# Allegro board PCIe3_0_X16_V1_0-166-20240802_20240828_pcb.brd (continued)
## Routing (per net, layer and track width the routed paths; a pad name or vN(x,y) marks a point on that pad's centre or on a via; arc(x,y) is an arc through that point) (continued)
FPGA_DDR4_2_BG0: length 133.6
  TOP w0.229: U1.AH22 v1(116.32,66.23) ; U10.M2 v1(145.29,73.5) ; U11.M2 v1(145.29,35.78) ; U12.M2 v1(145.29,48.36) ; U13.M2 v1(145.29,60.93) ; U9.M2 v1(145.29,86.07)
  ART05 w0.137: 144.1,34.79 144.1,35.15 144.33,35.38 144.63,35.38 144.8,35.45 v1(145.29,35.78) ; v1(145.29,86.07) 145.69,86.47 147.31,86.47 147.5,86.28 150.35,86.28 v1(150.73,85.9)
  ART05 w0.155: v1(116.32,66.23) 115.51,66.23 114.13,65.65 113.89,65.42 113.34,64.09 112.97,63.53 112.77,63.05 112.53,62.81 112.1,62.63 111.88,62.41 111.72,62.05 111.69,62 111.55,61.86 111.16,61.7 110.98,61.51 110.86,61.22 110.86,46.2 110.96,45.95 112.08,44.83 112.64,44.6 122.67,34.57 143.88,34.57 144.1,34.79
  ART12 w0.086: v1(145.29,35.78) 145.29,35.97 144.89,36.37 144.89,38.05 147.27,40.42 147.27,42.61 147.58,42.93 147.58,44.4 144.92,47.06 144.92,47.81 145.29,48.19 v1(145.29,48.36) 145.29,48.54 144.89,48.95 144.89,50.6 147.18,52.88 147.18,52.91 147.27,53 147.27,55.18 147.58,55.5 147.58,56.97 144.92,59.64 144.92,60.39 145.29,60.76 v1(145.29,60.93) 145.29,61.12 144.89,61.52 144.89,63.17 147.18,65.46 147.18,65.48 147.27,65.57 147.27,67.75 147.58,68.07 147.58,69.55 144.92,72.21 144.92,72.96 145.29,73.33 v1(145.29,73.5) 145.29,73.69 144.89,74.09 144.89,75.74 147.18,78.03 147.18,78.06 147.27,78.15 147.27,80.33 147.58,80.64 147.58,82.12 144.92,84.78 144.92,85.53 145.29,85.91 v1(145.29,86.07)
  BOTTOM w0.201: R143.1 v1(150.73,85.9)
FPGA_DDR4_2_CAS_N: length 129.1
  TOP w0.229: U10.M8 v1(145.29,79.1) ; U12.M8 v1(145.29,53.96) ; U9.M8 v1(145.29,91.67) ; U1.AP21 v1(123.32,65.23) ; U11.M8 v1(145.29,41.38) ; U13.M8 v1(145.29,66.53)
  ART03 w0.137: v1(145.29,41.38) 145.06,41.38 144.66,41.78 144.31,41.78 144.09,42 144.09,42.47
  ART03 w0.155: v1(123.32,65.23) 123.08,65.23 122.79,64.95 122.79,61.01 122.54,60.76 122.16,60.76 121.78,60.38 121.78,43.82 121.98,43.61 132.7,43.61 133.69,44.6 134.49,44.6 134.64,44.45 134.64,43.94 134.8,43.79 135.11,43.79 135.26,43.94 135.26,44.45 135.42,44.6 135.73,44.6 135.88,44.45 135.88,43.94 136.04,43.79 136.35,43.79 136.5,43.94 136.5,44.45 136.66,44.6 136.97,44.6 137.12,44.45 137.12,43.94 137.28,43.79 137.59,43.79 137.74,43.94 137.74,44.45 137.9,44.6 138.21,44.6 138.36,44.45 138.36,43.94 138.52,43.79 138.83,43.79 138.98,43.94 138.98,44.45 139.14,44.6 139.45,44.6 139.6,44.45 139.6,43.94 139.76,43.79 140.07,43.79 140.22,43.94 140.22,44.45 140.38,44.6 140.69,44.6 140.84,44.45 140.84,43.94 141,43.79 141.31,43.79 141.46,43.94 141.46,44.45 141.62,44.6 142.77,44.6 142.93,44.45 142.93,42.83 143.08,42.67 143.89,42.67 144.09,42.47
  ART10 w0.086: v1(145.29,91.67) 145.29,91.47 145.72,91.04 145.72,89.77 146.49,89 146.49,83.72 146.17,83.4 146.03,83.4 145.87,83.56 145.75,83.56 145.62,83.43 145.62,83.31 145.78,83.15 145.78,83.03 145.66,82.91 145.54,82.91 145.37,83.08 145.25,83.08 145.14,82.97 145.14,82.82 145.29,82.67 145.29,82.54 144.89,82.15 144.89,79.68 145.29,79.28 v1(145.29,79.1) 145.29,78.9 145.72,78.47 145.72,77.2 146.49,76.43 146.49,71.15 146.17,70.83 146.03,70.83 145.87,70.98 145.75,70.98 145.62,70.86 145.62,70.74 145.78,70.58 145.78,70.46 145.66,70.34 145.54,70.34 145.37,70.51 145.25,70.51 145.14,70.4 145.14,70.25 145.29,70.09 145.29,69.97 144.89,69.57 144.89,67.11 145.29,66.7 v1(145.29,66.53) 145.29,66.32 145.72,65.9 145.72,64.63 146.49,63.85 146.49,58.57 146.17,58.25 146.03,58.25 145.87,58.41 145.75,58.41 145.62,58.29 145.62,58.17 145.78,58.01 145.78,57.89 145.66,57.76 145.54,57.76 145.37,57.93 145.25,57.93 145.14,57.82 145.14,57.68 145.29,57.52 145.29,57.4 144.89,57 144.89,54.53 145.29,54.13 v1(145.29,53.96) 145.29,53.75 145.72,53.32 145.72,52.05 146.49,51.28 146.49,46 146.17,45.68 146.03,45.68 145.87,45.84 145.75,45.84 145.62,45.72 145.62,45.59 145.78,45.44 145.78,45.31 145.66,45.19 145.54,45.19 145.37,45.36 145.25,45.36 145.14,45.25 145.14,45.1 145.29,44.95 145.29,44.83 144.89,44.43 144.89,41.96 145.29,41.56 v1(145.29,41.38)
  BOTTOM w0.127: 145.78,90.55 145.69,90.64 145.69,91.27 v1(145.29,91.67)
  BOTTOM w0.201: 145.78,90.55 146.37,89.97 149.08,89.97 150.48,91.36 150.48,91.64 R137.1
FPGA_DDR4_2_CK_C: length 130.8
  TOP w0.173: U13.K8 v1(143.69,66.53) ; U12.K8 v1(143.69,53.96) ; U1.AH20 v1(117.32,63.23) ; U11.K8 v1(143.69,41.38) ; U9.K8 v1(143.69,91.67) ; U10.K8 v1(143.69,79.1)
  ART05 w0.102: 118.33,44.68 118.31,44.69 118.22,44.69 117.92,44.99 117.92,62.56 117.65,62.83 117.08,62.83 116.92,62.98 116.92,63.13 117.02,63.23 v1(117.32,63.23)
  ART05 w0.14: v1(143.69,41.38) 143.7,41.37 143.29,40.77 143.29,40.36 142.93,40 136.92,40 136.78,40.14 136.78,40.61 136.45,40.94 134.59,40.94 134.45,41.08 134.45,42.98 134.12,43.31 133.29,43.31 132.96,42.98 132.96,40.98 132.8,40.82 132.26,40.82 132.12,40.96 132.12,42.98 131.79,43.31 130.96,43.31 130.63,42.98 130.63,41.01 130.43,40.82 129.93,40.82 129.79,40.96 129.79,42.95 129.46,43.28 128.65,43.28 128.3,42.92 128.3,40.93 128.16,40.79 127.51,40.79 127.37,40.93 127.37,42.67 127.02,43.03 126.21,43.03 125.88,42.7 125.88,42.02 125.74,41.88 125.18,41.88 125.04,42.02 125.04,42.62 124.71,42.95 120.05,42.95 119.31,43.69 119.31,43.85 119.31,44.05 119.09,44.26 118.94,44.26 118.74,44.26 118.33,44.68
  ART12 w0.104: v1(143.69,41.38) 143.69,41.51 143.29,41.91 143.29,42.39 143.43,42.53 143.43,43.46 143.21,43.67 143.21,44.1 143.41,44.3 143.41,44.41 143.08,44.74 142.97,44.74 142.77,44.54 142.34,44.54 141.76,45.12 141.76,50.62 143.29,52.15 143.29,53.25 143.41,53.53 v1(143.69,53.96) 143.69,54.08 143.29,54.48 143.29,54.97 143.43,55.1 143.43,56.03 143.21,56.25 143.21,56.67 143.41,56.87 143.41,56.99 143.08,57.32 142.97,57.32 142.77,57.11 142.34,57.11 141.76,57.7 141.76,62.91 143.29,64.44 143.29,65.82 143.41,66.1 v1(143.69,66.53) 143.69,66.65 143.29,67.05 143.29,67.54 143.43,67.68 143.43,68.6 143.21,68.82 143.21,69.25 143.41,69.45 143.41,69.56 143.08,69.89 142.97,69.89 142.77,69.69 142.34,69.69 141.76,70.27 141.76,75.74 143.29,77.27 143.29,78.4 143.41,78.67 v1(143.69,79.1) 143.69,79.23 143.29,79.63 143.29,80.11 143.43,80.25 143.43,81.18 143.21,81.39 143.21,81.82 143.41,82.02 143.41,82.13 143.08,82.46 142.97,82.46 142.77,82.26 142.34,82.26 141.76,82.84 141.76,88.62 143.29,90.15 143.29,90.97 143.41,91.25 v1(143.69,91.67)
  BOTTOM w0.102: 143.29,90.68 143.29,90.91 143.52,91.45 143.62,91.6 v1(143.69,91.67)
  BOTTOM w0.173: R152.2 143.33,89.86 143.33,90.65 143.29,90.68
FPGA_DDR4_2_CK_T: length 130.7
  TOP w0.173: U1.AG20 v1(116.32,63.23) ; U9.K7 v1(143.69,90.87) ; U10.K7 v1(143.69,78.3) ; U13.K7 v1(143.69,65.73) ; U12.K7 v1(143.69,53.16) ; U11.K7 v1(143.69,40.58)
  ART05 w0.102: v1(116.32,63.23) 116.62,63.23 116.72,63.13 116.72,62.9 116.99,62.62 117.57,62.62 117.72,62.47 117.72,44.91 118.08,44.55 118.08,44.46 118.09,44.44
  ART05 w0.14: v1(143.69,40.58) 143.69,40.3 143.07,39.67 136.79,39.67 136.46,40.01 136.46,40.48 136.32,40.62 134.46,40.62 134.12,40.95 134.12,42.84 133.99,42.98 133.43,42.98 133.29,42.84 133.29,40.85 132.93,40.49 132.12,40.49 131.79,40.82 131.79,42.84 131.65,42.98 131.09,42.98 130.96,42.84 130.96,40.88 130.57,40.49 129.79,40.49 129.46,40.82 129.46,42.81 129.32,42.95 128.79,42.95 128.62,42.79 128.62,40.8 128.29,40.46 127.38,40.46 127.05,40.8 127.05,42.53 126.88,42.7 126.35,42.7 126.21,42.56 126.21,41.89 125.88,41.56 125.05,41.56 124.72,41.89 124.72,42.48 124.58,42.62 119.92,42.62 118.99,43.54 118.09,44.44
  ART12 w0.104: v1(143.69,90.87) 143.63,90.81 143.63,90.01 142.1,88.48 142.1,82.98 142.48,82.6 142.63,82.6 142.83,82.8 143.22,82.8 143.75,82.27 143.75,81.88 143.55,81.68 143.55,81.53 143.77,81.31 143.77,80.44 144.09,80.12 144.09,78.7 v1(143.69,78.3) 143.63,78.24 143.63,77.13 142.1,75.6 142.1,70.41 142.48,70.02 142.63,70.02 142.83,70.22 143.22,70.22 143.75,69.7 143.75,69.31 143.55,69.11 143.55,68.96 143.77,68.74 143.77,67.87 144.09,67.54 144.09,66.13 v1(143.69,65.73) 143.63,65.66 143.63,64.3 142.1,62.77 142.1,57.84 142.48,57.45 142.63,57.45 142.83,57.65 143.22,57.65 143.75,57.12 143.75,56.74 143.55,56.53 143.55,56.39 143.77,56.17 143.77,55.3 144.09,54.97 144.09,53.56 v1(143.69,53.16) 143.63,53.09 143.63,52.01 142.1,50.48 142.1,45.26 142.48,44.88 142.63,44.88 142.83,45.08 143.22,45.08 143.75,44.55 143.75,44.16 143.55,43.96 143.55,43.81 143.77,43.6 143.77,42.72 144.09,42.4 144.09,40.98 v1(143.69,40.58)
  BOTTOM w0.102: 144.1,90.58 144.1,91.01 144,91.11 143.8,91.11 143.69,91.01 v1(143.69,90.87)
  BOTTOM w0.173: R151.2 143.72,89.86 143.72,90.2 144.1,90.58
FPGA_DDR4_2_CKE: length 135.7
  TOP w0.152: U12.K2 v1(143.69,48.36)
  TOP w0.229: U13.K2 v1(143.69,60.93) ; U9.K2 v1(143.69,86.07) ; U11.K2 v1(143.69,35.78) ; U1.AJ21 v1(118.32,65.23) ; U10.K2 v1(143.69,73.5)
  ART03 w0.137: 142.51,35.29 142.74,35.38 143.01,35.38 143.24,35.48 v1(143.69,35.78)
  ART03 w0.155: v1(118.32,65.23) 117.56,64.72 115.18,63.73 114.87,63.42 114.67,62.95 114.5,62.78 114.17,62.68 113.97,62.54 113.78,62.08 113.53,61.83 113.14,61.67 112.92,61.45 112.76,61.06 112.54,60.84 112.15,60.68 111.94,60.47 111.87,60.3 111.87,41.33 118.63,34.57 141.79,34.57 142.51,35.29
  ART05 w0.137: v1(143.69,86.07) 144.1,85.67 144.1,84.92 144.38,84.63 149.72,84.63 v1(150.73,83.62)
  ART10 w0.086: v1(143.69,86.07) 143.69,85.85 143.34,85.49 143.29,85.39 143.29,84.89 143.29,84.88 143.29,84.76 143.43,84.61 143.43,84.49 143.31,84.37 143.19,84.37 143.04,84.51 142.92,84.51 142.8,84.39 142.8,84.27 142.96,84.11 142.96,83.99 142.83,83.87 142.71,83.87 142.55,84.03 142.43,84.03 142.23,83.82 142.23,79.17 142.72,78.67 143.05,78.67 143.29,78.43 143.29,74.17 143.69,73.77 v1(143.69,73.5) 143.69,73.27 143.34,72.92 143.29,72.82 143.29,72.32 143.29,72.31 143.29,72.19 143.43,72.04 143.43,71.92 143.31,71.8 143.19,71.8 143.04,71.94 142.92,71.94 142.8,71.82 142.8,71.7 142.96,71.54 142.96,71.42 142.83,71.3 142.71,71.3 142.55,71.45 142.43,71.45 142.23,71.25 142.23,66.6 142.72,66.1 143.05,66.1 143.29,65.86 143.29,61.59 143.69,61.19 v1(143.69,60.93) 143.69,60.7 143.34,60.34 143.29,60.24 143.29,59.74 143.29,59.73 143.29,59.61 143.43,59.47 143.43,59.35 143.31,59.22 143.19,59.22 143.04,59.37 142.92,59.37 142.8,59.25 142.8,59.12 142.96,58.97 142.96,58.84 142.83,58.72 142.71,58.72 142.55,58.88 142.43,58.88 142.23,58.67 142.23,54.03 142.72,53.53 143.05,53.53 143.29,53.28 143.29,49.02 143.69,48.62 v1(143.69,48.36) 143.69,48.13 143.34,47.77 143.29,47.67 143.29,47.17 143.29,47.16 143.29,47.04 143.43,46.9 143.43,46.77 143.31,46.65 143.19,46.65 143.04,46.8 142.92,46.8 142.8,46.67 142.8,46.55 142.96,46.39 142.96,46.27 142.83,46.15 142.71,46.15 142.55,46.31 142.43,46.31 142.23,46.1 142.23,41.45 142.72,40.96 143.05,40.96 143.29,40.71 143.29,36.45 143.69,36.05 v1(143.69,35.78)
  BOTTOM w0.201: R144.1 v1(150.73,83.62)
FPGA_DDR4_2_CS_B: length 135.1
  TOP w0.229: U11.L7 v1(144.49,40.58) ; U12.L7 v1(144.49,53.16) ; U1.AM18 v1(121.32,61.23) ; U9.L7 v1(144.49,90.87) ; U13.L7 v1(144.49,65.73) ; U10.L7 v1(144.49,78.3)
  ART03 w0.137: 135.32,40.98 141.81,40.98 142.73,40.06 144,40.06 144.49,40.55 v1(144.49,40.58)
  ART03 w0.155: 135.32,40.98 135,40.98 134.53,41.45 134.17,41.45 134.02,41.3 134.02,40.72 133.86,40.56 133.55,40.56 133.4,40.72 133.4,41.3 133.24,41.45 132.93,41.45 132.78,41.3 132.78,40.72 132.62,40.56 132.31,40.56 132.16,40.72 132.16,41.3 132,41.45 131.69,41.45 131.54,41.3 131.54,40.72 131.38,40.56 131.07,40.56 130.92,40.72 130.92,41.3 130.76,41.45 130.45,41.45 130.3,41.3 130.3,40.72 130.14,40.56 129.83,40.56 129.68,40.72 129.68,41.3 129.52,41.45 129.21,41.45 129.06,41.3 129.06,40.72 128.9,40.56 128.59,40.56 128.44,40.72 128.44,41.3 128.28,41.45 127.97,41.45 127.82,41.3 127.82,40.72 127.66,40.56 127.35,40.56 127.2,40.72 127.2,41.3 127.04,41.45 126.73,41.45 126.58,41.3 126.58,40.72 126.42,40.56 126.11,40.56 125.96,40.72 125.96,41.3 125.8,41.45 125.49,41.45 125.34,41.3 125.34,40.72 125.18,40.56 124.87,40.56 124.72,40.72 124.72,41.3 124.56,41.45 124.25,41.45 124.1,41.3 124.1,40.72 123.94,40.56 123.64,40.56 123.48,40.72 123.48,41.3 123.33,41.45 123.02,41.45 122.86,41.3 122.86,40.72 122.71,40.56 122.4,40.56 122.24,40.72 122.24,41.3 122.09,41.45 121.88,41.45 121.78,41.55 121.56,41.55 121.03,41.02 120.81,41.02 120.59,41.24 120.59,41.46 121.12,41.99 121.12,42.21 120.91,42.43 120.69,42.43 120.3,42.04 120.08,42.04 119.86,42.26 119.86,42.48 120.25,42.87 120.25,43.08 119.87,43.46 119.87,60.5 120.13,60.76 120.64,60.76 121.11,61.23 v1(121.32,61.23)
  ART10 w0.086: v1(144.49,40.58) 144.09,40.98 143.57,40.98 143.29,41.25 143.29,41.51 143.02,41.78 142.77,41.78 142.52,42.03 142.52,43.31 142.61,43.4 142.65,43.4 142.73,43.49 142.73,43.66 142.65,43.75 142.61,43.75 142.52,43.83 142.52,44 142.61,44.09 142.65,44.09 142.73,44.18 142.73,44.35 142.65,44.44 142.61,44.44 142.52,44.52 142.52,45.15 144.09,46.73 U12.L7 v1(144.49,53.16) 144.09,53.56 143.57,53.56 143.29,53.83 143.29,54.08 143.02,54.36 142.77,54.36 142.52,54.6 142.52,55.89 142.61,55.97 142.65,55.97 142.73,56.06 142.73,56.23 142.65,56.32 142.61,56.32 142.52,56.41 142.52,56.58 142.61,56.66 142.65,56.66 142.73,56.75 142.73,56.92 142.65,57.01 142.61,57.01 142.52,57.1 142.52,57.72 144.09,59.3 U13.L7 v1(144.49,65.73) 144.09,66.13 143.57,66.13 143.29,66.4 143.29,66.66 143.02,66.93 142.77,66.93 142.52,67.17 142.52,68.46 142.61,68.55 142.65,68.55 142.73,68.63 142.73,68.81 142.65,68.89 142.61,68.89 142.52,68.98 142.52,69.15 142.61,69.24 142.65,69.24 142.73,69.32 142.73,69.5 142.65,69.58 142.61,69.58 142.52,69.67 142.52,70.3 144.09,71.87 U10.L7 v1(144.49,78.3) 144.09,78.7 143.57,78.7 143.29,78.97 143.29,79.23 143.02,79.5 142.77,79.5 142.52,79.75 142.52,81.03 142.61,81.12 142.65,81.12 142.73,81.21 142.73,81.38 142.65,81.46 142.61,81.46 142.52,81.55 142.52,81.72 142.61,81.81 142.65,81.81 142.73,81.9 142.73,82.07 142.65,82.16 142.61,82.16 142.52,82.24 142.52,82.87 144.09,84.44 U9.L7 v1(144.49,90.87)
  BOTTOM w0.201: v1(144.49,90.87) 144.49,90.29 144.65,89.91 144.65,89.8 145.87,88.59 150.73,88.59 R145.1
FPGA_DDR4_2_DQ0: length 52.4
  TOP w0.201: U9.G2 v1(140.49,86.07) ; U1.AJ16 v1(118.32,59.23)
  ART10 w0.137: v1(140.49,86.07) 140.09,85.67 134.5,85.67 132.47,83.64 132.47,81.43 132.61,81.3 132.74,81.3 132.88,81.16 132.88,80.88 132.74,80.75 132.61,80.75 132.47,80.61 132.47,80.34 132.61,80.2 132.74,80.2 132.88,80.06 132.88,79.79 132.74,79.65 132.61,79.65 132.47,79.51 132.47,79.24 132.61,79.1 132.74,79.1 132.88,78.96 132.88,78.69 132.74,78.55 132.61,78.55 132.47,78.42 132.47,78.14 132.61,78 132.74,78 132.88,77.87 132.88,77.59 132.74,77.46 132.61,77.46 132.47,77.32 132.47,77.04 132.61,76.91 132.74,76.91 132.88,76.77 132.88,76.49 132.74,76.36 132.61,76.36 132.47,76.22 132.47,75.95 132.61,75.81 132.74,75.81 132.88,75.67 132.88,75.4 132.74,75.26 132.61,75.26 132.47,75.12 132.47,74.85 132.61,74.71 132.74,74.71 132.88,74.57 132.88,74.3 132.74,74.16 132.61,74.16 132.47,74.03 132.47,73.75 132.61,73.61 132.74,73.61 132.88,73.48 132.88,73.2 132.74,73.07 132.61,73.07 132.47,72.93 132.47,70.99 133.51,69.95 133.51,67.08 133.38,66.94 132.76,66.94 132.62,66.81 132.62,66.53 132.76,66.39 133.38,66.39 133.51,66.26 133.51,65.89 129.4,61.77 121.14,61.77 120.89,61.52 120.89,61.01 120.61,60.73 120.1,60.73 119.87,60.5 119.87,59.99 119.62,59.74 118.99,59.74 118.48,59.23 v1(118.32,59.23)
FPGA_DDR4_2_DQ1: length 51.7
  TOP w0.201: U1.AG17 v1(116.32,60.23) ; U9.F7 v1(139.69,90.87)
  ART10 w0.137: v1(116.32,60.23) 116.32,60.4 115.81,60.91 115.81,63.42 117.08,64.69 117.59,64.69 117.84,64.95 117.84,65.46 118.1,65.71 118.48,65.71 118.86,66.09 118.86,66.47 119.11,66.73 125.21,66.73 126.27,67.79 128,67.79 128.15,67.94 128.15,71.16 128.29,71.3 128.5,71.3 128.64,71.43 128.64,71.71 128.5,71.85 128.29,71.85 128.15,71.98 128.15,72.26 128.29,72.39 128.5,72.39 128.64,72.53 128.64,72.81 128.5,72.94 128.29,72.94 128.15,73.08 128.15,73.38 128.74,73.96 128.74,85.02 135,91.27 139.29,91.27 v1(139.69,90.87)
FPGA_DDR4_2_DQ2: length 53.4
  TOP w0.201: U9.H3 v1(141.29,86.87) ; U1.AJ14 v1(117.32,57.23)
  ART10 w0.137: v1(141.29,86.87) 141.29,86.64 140.9,86.24 140.9,86.22 140.89,86.22 140.89,85.08 140.56,84.75 135.4,84.75 135.19,84.96 134.48,84.96 133.41,83.9 133.41,83.36 133.55,83.22 134.11,83.22 134.25,83.08 134.25,82.81 134.11,82.67 133.55,82.67 133.41,82.54 133.41,82.26 133.55,82.12 134.11,82.12 134.25,81.99 134.25,81.71 134.11,81.57 133.55,81.57 133.41,81.44 133.41,71.22 134.02,70.61 134.02,65.74 129.04,60.76 122.16,60.76 121.78,60.38 121.78,59.99 121.52,59.74 121.14,59.74 120.89,59.49 120.89,59.11 120.51,58.72 119.11,58.72 118.8,58.41 118.8,58.03 118.48,57.71 117.8,57.71 v1(117.32,57.23)
FPGA_DDR4_2_DQ3: length 53.6
  TOP w0.201: U1.AG15 v1(116.32,58.23) ; U9.H7 v1(141.29,90.87)
  ART10 w0.137: v1(141.29,90.87) 140.9,91.27 140.28,91.27 140.09,91.46 140.09,91.84 139.86,92.07 135.14,92.07 128.23,85.17 128.23,76.12 127.75,74.96 127.75,73 127.44,72.69 127.19,72.69 126.88,72.39 126.88,72.19 126.38,71.68 126.17,71.68 125.87,71.37 125.87,71.04 125.51,70.69 124.78,70.69 124.16,70.07 123.44,69.77 123.25,69.77 121.86,69.2 121.23,68.56 119.23,67.74 118.82,67.32 118.82,67.14 118.49,66.81 118.18,66.81 117.84,66.47 117.84,66.16 117.49,65.81 117.18,65.81 116.83,65.46 116.83,65.07 116.32,64.57 115.62,64.28 114.79,63.45 114.79,61.01 115.05,60.76 115.43,60.76 115.81,60.38 115.81,58.74 v1(116.32,58.23)
FPGA_DDR4_2_DQ4: length 53.6
  TOP w0.201: U1.AJ13 v1(118.32,57.23) ; U9.H2 v1(141.29,86.07)
  ART10 w0.137: v1(118.32,57.23) 118.63,57.23 119.11,57.71 120.51,57.71 120.89,58.09 120.89,58.47 121.14,58.72 121.52,58.72 121.78,58.98 121.78,59.36 122.16,59.74 128.76,59.74 134.58,65.56 134.58,70.79 133.94,71.42 133.94,72.25 134.08,72.39 134.34,72.39 134.48,72.52 134.48,72.8 134.34,72.94 134.08,72.94 133.94,73.07 133.94,73.35 134.08,73.48 134.34,73.48 134.48,73.62 134.48,73.9 134.34,74.03 134.08,74.03 133.94,74.17 133.94,74.45 134.08,74.58 134.34,74.58 134.48,74.72 134.48,74.99 134.34,75.13 134.08,75.13 133.94,75.27 133.94,75.54 134.08,75.68 134.34,75.68 134.48,75.82 134.48,76.09 134.34,76.23 134.08,76.23 133.94,76.37 133.94,76.64 134.08,76.78 134.34,76.78 134.48,76.91 134.48,77.19 134.34,77.33 134.08,77.33 133.94,77.46 133.94,77.74 134.08,77.87 134.34,77.87 134.48,78.01 134.48,78.29 134.34,78.42 134.08,78.42 133.94,78.56 133.94,78.83 134.08,78.97 134.34,78.97 134.48,79.11 134.48,79.38 134.34,79.52 134.08,79.52 133.94,79.66 133.94,80.77 134.83,81.66 134.83,82.96 136.09,84.21 140.91,84.21 141.72,85.01 141.72,85.65 v1(141.29,86.07)
FPGA_DDR4_2_DQ5: length 53.5
  TOP w0.201: U9.H8 v1(141.29,91.67) ; U1.AF15 v1(115.32,58.23)
  ART10 w0.137: v1(115.32,58.23) 115.08,58.68 114.86,59.09 114.79,59.25 114.79,60.38 114.41,60.76 114.18,60.76 113.9,61.04 113.9,63.47 114.88,64.45 115.31,64.63 115.74,65.05 115.9,65.44 116.06,65.61 116.45,65.77 116.76,66.08 116.93,66.47 117.07,66.61 117.52,66.8 117.54,66.8 117.75,67.01 117.95,67.49 118.28,67.83 120.84,68.89 121.99,70.03 123.26,70.71 124.2,71.1 124.83,71.52 125.6,71.84 125.77,72.01 125.99,72.53 126.12,72.67 126.51,72.83 126.69,73.01 127,73.77 127,74.32 127.8,76.24 127.8,85.34 135.37,92.91 139.73,92.91 139.92,92.83 140.09,92.66 140.09,92.3 140.32,92.07 140.7,92.07 v1(141.29,91.67)
FPGA_DDR4_2_DQ6: length 51.2
  TOP w0.127: U1.AJ17 v1(118.32,60.23)
  TOP w0.201: U9.J3 v1(142.89,86.87)
  ART10 w0.137: v1(142.89,86.87) 142.52,86.87 142.12,87.27 141.13,87.27 140.9,87.04 140.9,86.71 140.66,86.47 134.54,86.47 132.01,83.95 132.01,81.51 131.88,81.37 131.72,81.37 131.58,81.24 131.58,80.96 131.72,80.82 131.88,80.82 132.01,80.69 132.01,80.41 131.88,80.28 131.72,80.28 131.58,80.14 131.58,79.86 131.72,79.73 131.88,79.73 132.01,79.59 132.01,70.66 133.01,69.67 133.01,67.94 132.18,67.12 132.18,65.37 129.6,62.79 120,62.79 119.75,62.53 119.75,61.01 119.49,60.76 119.24,60.76 118.71,60.23 v1(118.32,60.23)
FPGA_DDR4_2_DQ7: length 52
  TOP w0.127: U1.AH17 v1(117.32,60.23)
  TOP w0.201: U9.J7 v1(142.89,90.87)
  ART10 w0.137: v1(142.89,90.87) 141.55,89.53 134.76,89.53 129.75,84.53 129.75,65.96 128.48,64.69 119.11,64.69 117.84,63.42 117.84,61.14 117.32,60.62 v1(117.32,60.23)
FPGA_DDR4_2_DQ8: length 48.9
  TOP w0.201: U9.A3 v1(135.69,86.87) ; U1.AM17 v1(121.32,60.23)
  ART12 w0.137: v1(121.32,60.23) 121.38,60.23 121.78,60.63 121.78,63.8 122.7,64.73 126.61,64.73 126.88,65 126.88,66.52 127.09,66.73 127.85,66.73 128.15,67.03 128.34,67.03 128.73,66.64 128.93,66.64 129.12,66.83 129.12,67.03 128.73,67.42 128.73,67.61 129.25,68.12 129.25,83.39 129.49,83.63 129.68,83.63 130.42,82.9 130.61,82.9 130.8,83.09 130.8,83.29 130.07,84.02 130.07,84.21 130.26,84.41 130.46,84.41 131.19,83.67 131.39,83.67 131.58,83.87 131.58,84.06 130.85,84.8 130.85,84.99 131.04,85.18 131.23,85.18 131.97,84.45 132.16,84.45 132.36,84.64 132.36,84.84 131.62,85.57 131.62,85.77 131.82,85.96 132.01,85.96 132.74,85.23 132.94,85.23 133.13,85.42 133.13,85.61 132.41,86.33 132.41,86.53 132.57,86.69 134.76,86.69 134.94,86.87 v1(135.69,86.87)
FPGA_DDR4_2_DQ9: length 50.9
  TOP w0.201: U9.B8 v1(136.49,91.67) ; U1.AM13 v1(120.32,56.23)
  ART12 w0.137: v1(120.32,56.23) 119.48,56.68 119.45,56.69 117.42,56.69 117.1,56.83 116.94,56.99 116.76,57.42 116.56,57.62 116.12,57.8 115.96,57.97 115.86,58.2 115.86,63.47 116.71,64.75 116.88,65.56 116.88,66.26 116.96,66.45 117.21,66.71 117.52,66.83 117.73,67.05 117.89,67.42 120.85,71.86 121.49,72.5 121.85,73.37 121.85,77.59 122.68,79.59 122.68,83.25 130.34,90.91 134.34,90.91 135.23,91.27 135.9,91.27 v1(136.49,91.67)
FPGA_DDR4_2_DQ10: length 47.4
  TOP w0.201: U1.AM15 v1(121.32,58.23) ; U9.C3 v1(137.29,86.87)
  ART12 w0.137: v1(137.29,86.87) 137.23,86.87 136.83,86.47 135.02,86.47 134.51,85.96 134.32,85.96 134.03,86.25 133.84,86.25 133.64,86.06 133.64,85.86 133.93,85.57 133.93,85.19 134.27,84.85 134.27,84.65 134.08,84.46 133.88,84.46 133.54,84.8 133.35,84.8 133.15,84.6 133.15,84.41 133.49,84.07 133.49,83.88 133.3,83.68 133.11,83.68 132.77,84.02 132.57,84.02 132.38,83.83 132.38,83.63 132.72,83.29 132.72,83.1 132.52,82.91 132.33,82.91 131.99,83.25 131.8,83.25 131.6,83.05 131.6,82.86 131.94,82.52 131.94,82.32 131.75,82.13 131.55,82.13 131.21,82.47 131.02,82.47 130.83,82.28 130.83,82.08 131.17,81.74 131.17,81.55 130.97,81.35 130.78,81.35 130.37,81.76 130.16,81.76 129.75,81.36 129.75,66.88 128.69,65.81 128.05,65.81 127.82,65.58 127.82,65 127.22,64.4 123.77,64.4 122.79,63.42 122.79,60.01 122.53,59.74 122.16,59.74 121.82,59.4 121.82,59.02 121.32,58.52 v1(121.32,58.23)
FPGA_DDR4_2_DQ11: length 47.6
  TOP w0.201: U1.AL15 v1(120.32,58.23) ; U9.C7 v1(137.29,90.87)
  ART12 w0.137: v1(120.32,58.23) 119.8,57.71 119.24,57.71 118.86,58.09 118.86,58.34 118.48,58.72 118.22,58.72 117.84,59.11 117.84,63.91 118.86,64.92 118.86,66.4 119.19,66.73 119.44,66.73 121.78,69.06 121.85,69.06 122.54,69.75 122.77,70.31 123.23,70.76 123.48,70.76 123.75,71.03 123.89,71.37 123.89,78.33 124.25,79.2 124.43,79.38 124.83,80.34 124.83,83.23 125.3,84.37 130.9,89.97 135.59,89.97 136.51,90.35 v1(137.29,90.87)
FPGA_DDR4_2_DQ12: length 47.4
  TOP w0.201: U1.AM14 v1(121.32,57.23) ; U9.C2 v1(137.29,86.07)
  ART12 w0.137: v1(137.29,86.07) 137.29,86.05 136.92,85.67 135.44,85.67 135.24,85.47 135.24,84.96 135.44,84.76 135.44,83.44 135.21,83.2 135.01,83.2 134.44,83.77 134.25,83.77 134.06,83.57 134.06,83.38 134.62,82.81 134.62,82.62 134.43,82.42 134.23,82.42 133.67,82.99 133.47,82.99 133.28,82.8 133.28,82.6 133.85,82.04 133.85,81.84 133.65,81.65 133.46,81.65 132.89,82.22 132.7,82.22 132.5,82.02 132.5,81.83 133.07,81.26 133.07,81.07 132.88,80.87 132.68,80.87 132.11,81.44 131.92,81.44 130.34,79.86 130.34,66.45 127.95,64.06 124.2,64.06 123.81,63.67 123.81,59.99 123.56,59.74 123.05,59.74 122.79,59.49 122.79,58.98 122.54,58.72 122.03,58.72 121.8,58.49 121.8,57.71 v1(121.32,57.23)
FPGA_DDR4_2_DQ13: length 50.5
  TOP w0.201: U1.AL13 v1(119.32,57.23) ; U9.C8 v1(137.29,91.67)
  ART12 w0.137: v1(137.29,91.67) 136.32,90.7 135.77,90.47 130.59,90.47 123.75,83.63 123.75,80.11 123.28,78.98 122.86,78.56 122.86,71.05 122.51,70.71 121.98,70.71 121.78,70.51 121.78,69.98 121.47,69.67 121.09,69.67 120.81,69.39 120.81,68.99 120.64,68.81 120.18,68.81 119.8,68.43 119.8,68.05 119.47,67.72 119.14,67.72 118.76,67.34 118.76,67.06 118.43,66.73 118.22,66.73 117.84,66.34 117.84,64.92 116.83,63.91 116.83,57.96 117.08,57.71 118.6,57.71 119.08,57.23 v1(119.32,57.23)
FPGA_DDR4_2_DQ14: length 49.6
  TOP w0.201: U9.D3 v1(138.09,86.87) ; U1.AL17 v1(120.32,60.23)
  ART12 w0.137: v1(120.32,60.23) 119.87,60.68 119.87,64.03 120.76,64.92 120.76,66.45 122.06,67.74 123.51,67.74 123.81,68.05 123.81,68.38 124.19,68.76 125.68,68.76 125.82,68.89 125.82,76.48 126.05,76.71 126.58,76.71 126.88,77.01 126.88,83.62 128.21,84.94 128.21,85.13 127.88,85.46 127.88,85.66 128.07,85.85 128.27,85.85 128.6,85.52 128.79,85.52 128.98,85.72 128.98,85.91 128.66,86.24 128.66,86.43 128.85,86.63 129.04,86.63 129.37,86.3 129.57,86.3 129.76,86.49 129.76,86.69 129.43,87.01 129.43,87.21 129.63,87.4 129.82,87.4 130.15,87.08 130.34,87.08 130.54,87.27 130.54,87.46 130.21,87.79 130.21,87.98 130.4,88.18 130.6,88.18 130.92,87.85 131.12,87.85 131.32,88.05 131.32,88.24 131.16,88.4 131.16,88.59 131.36,88.79 131.55,88.79 131.87,88.47 137.37,88.47 138.09,87.75 v1(138.09,86.87)
FPGA_DDR4_2_DQ15: length 47.4